# Altium PCB DemetrioGurgel - PCEIoT.PcbDoc (part 1 of 3)
Units mm, origin at the board's own origin, x right, y up, seen from the top; angles counter-clockwise.
Board outline 125 x 60 mm, 4 copper layers (Top Copper, Top Ref, Botton Ref, Bottom Copper), stack 1.586 mm thick; 153 components, 92 nets, 439 pads, 736 vias.
Unrouted connection lines stored in the file: 62.
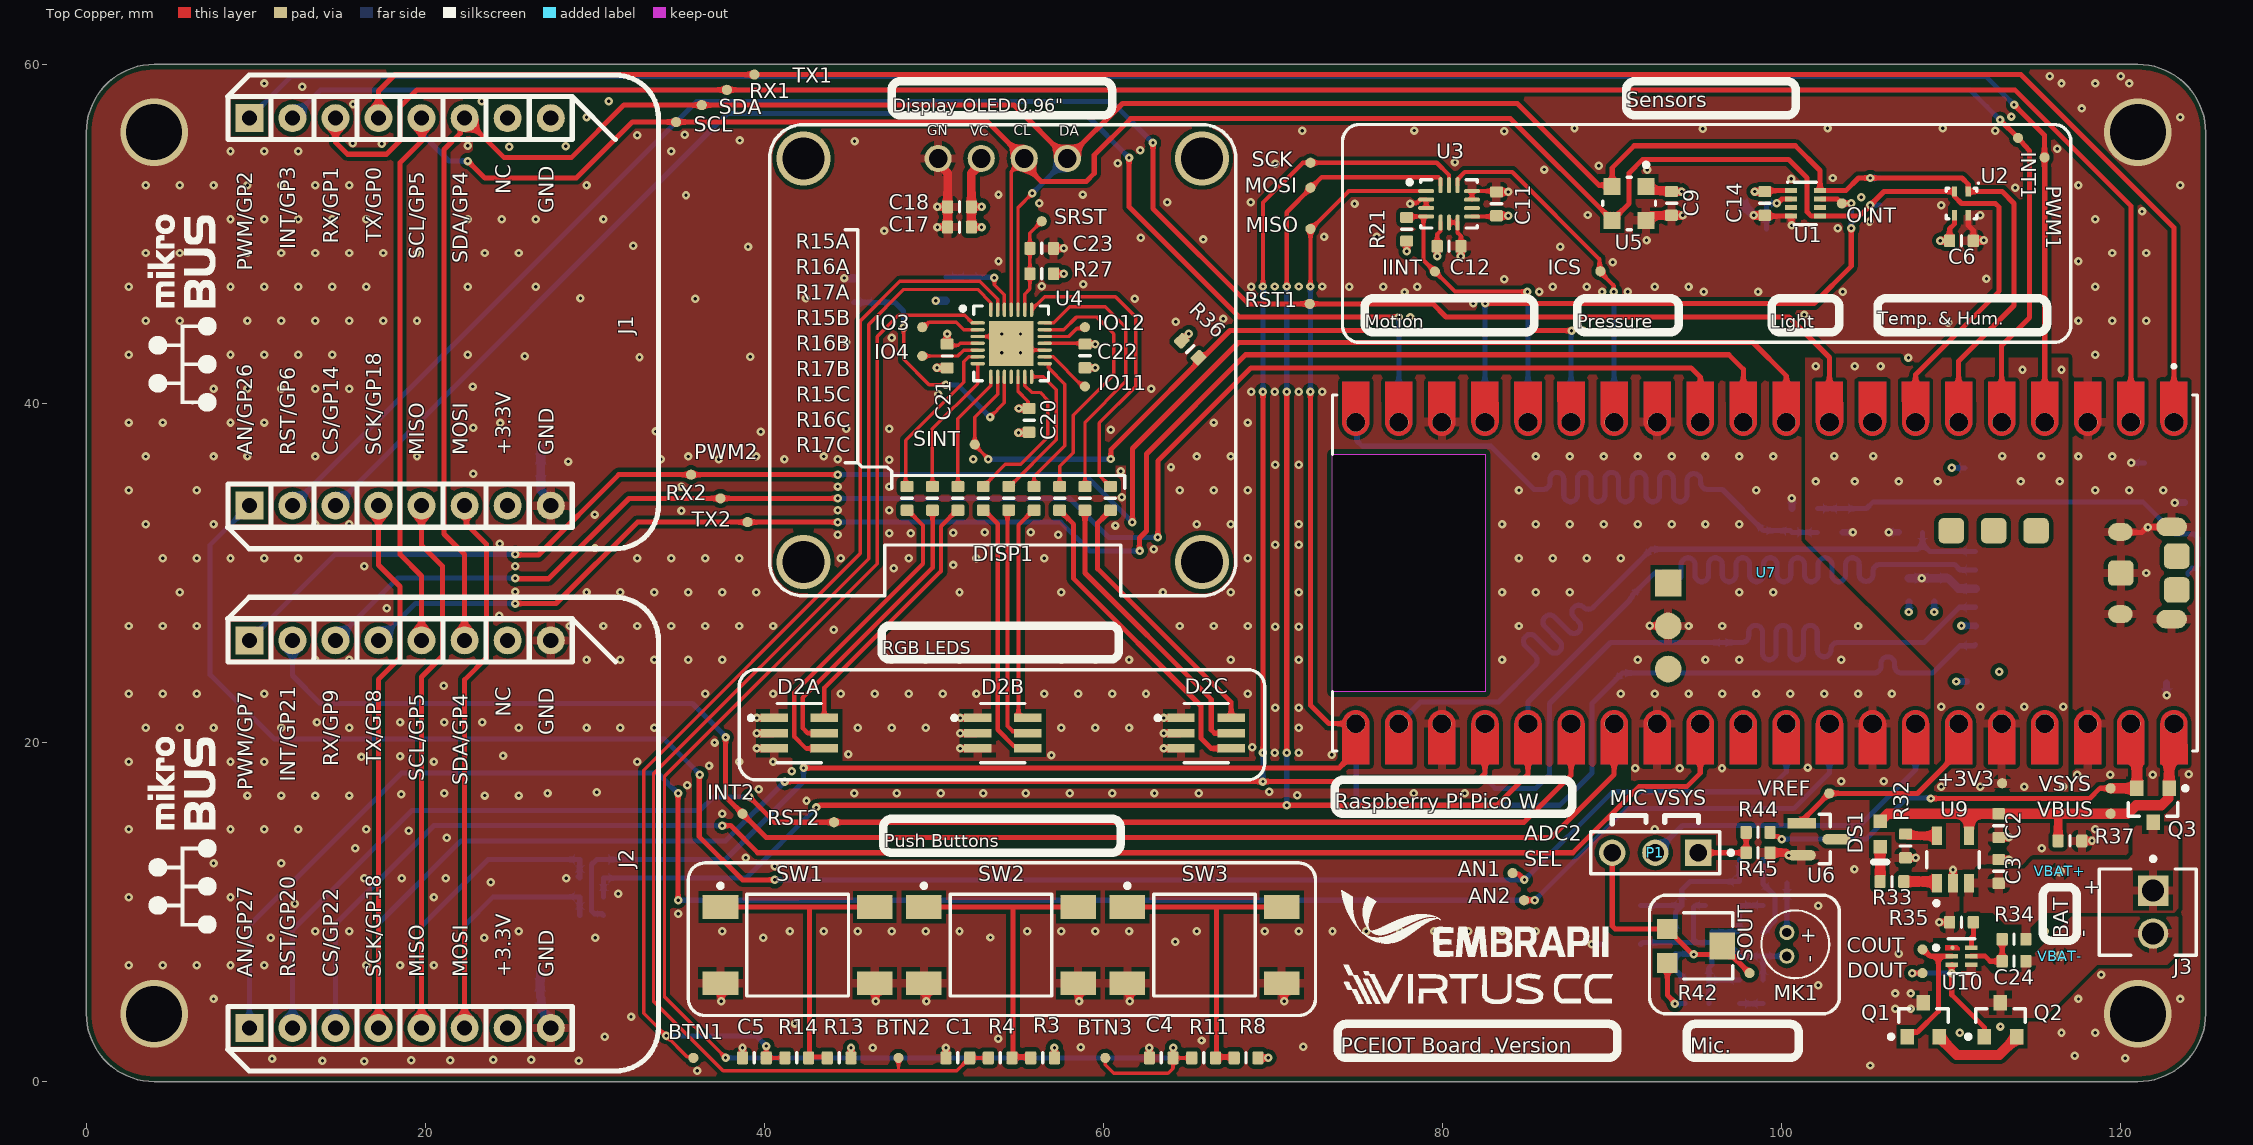
[diagram p0: Top Copper view]
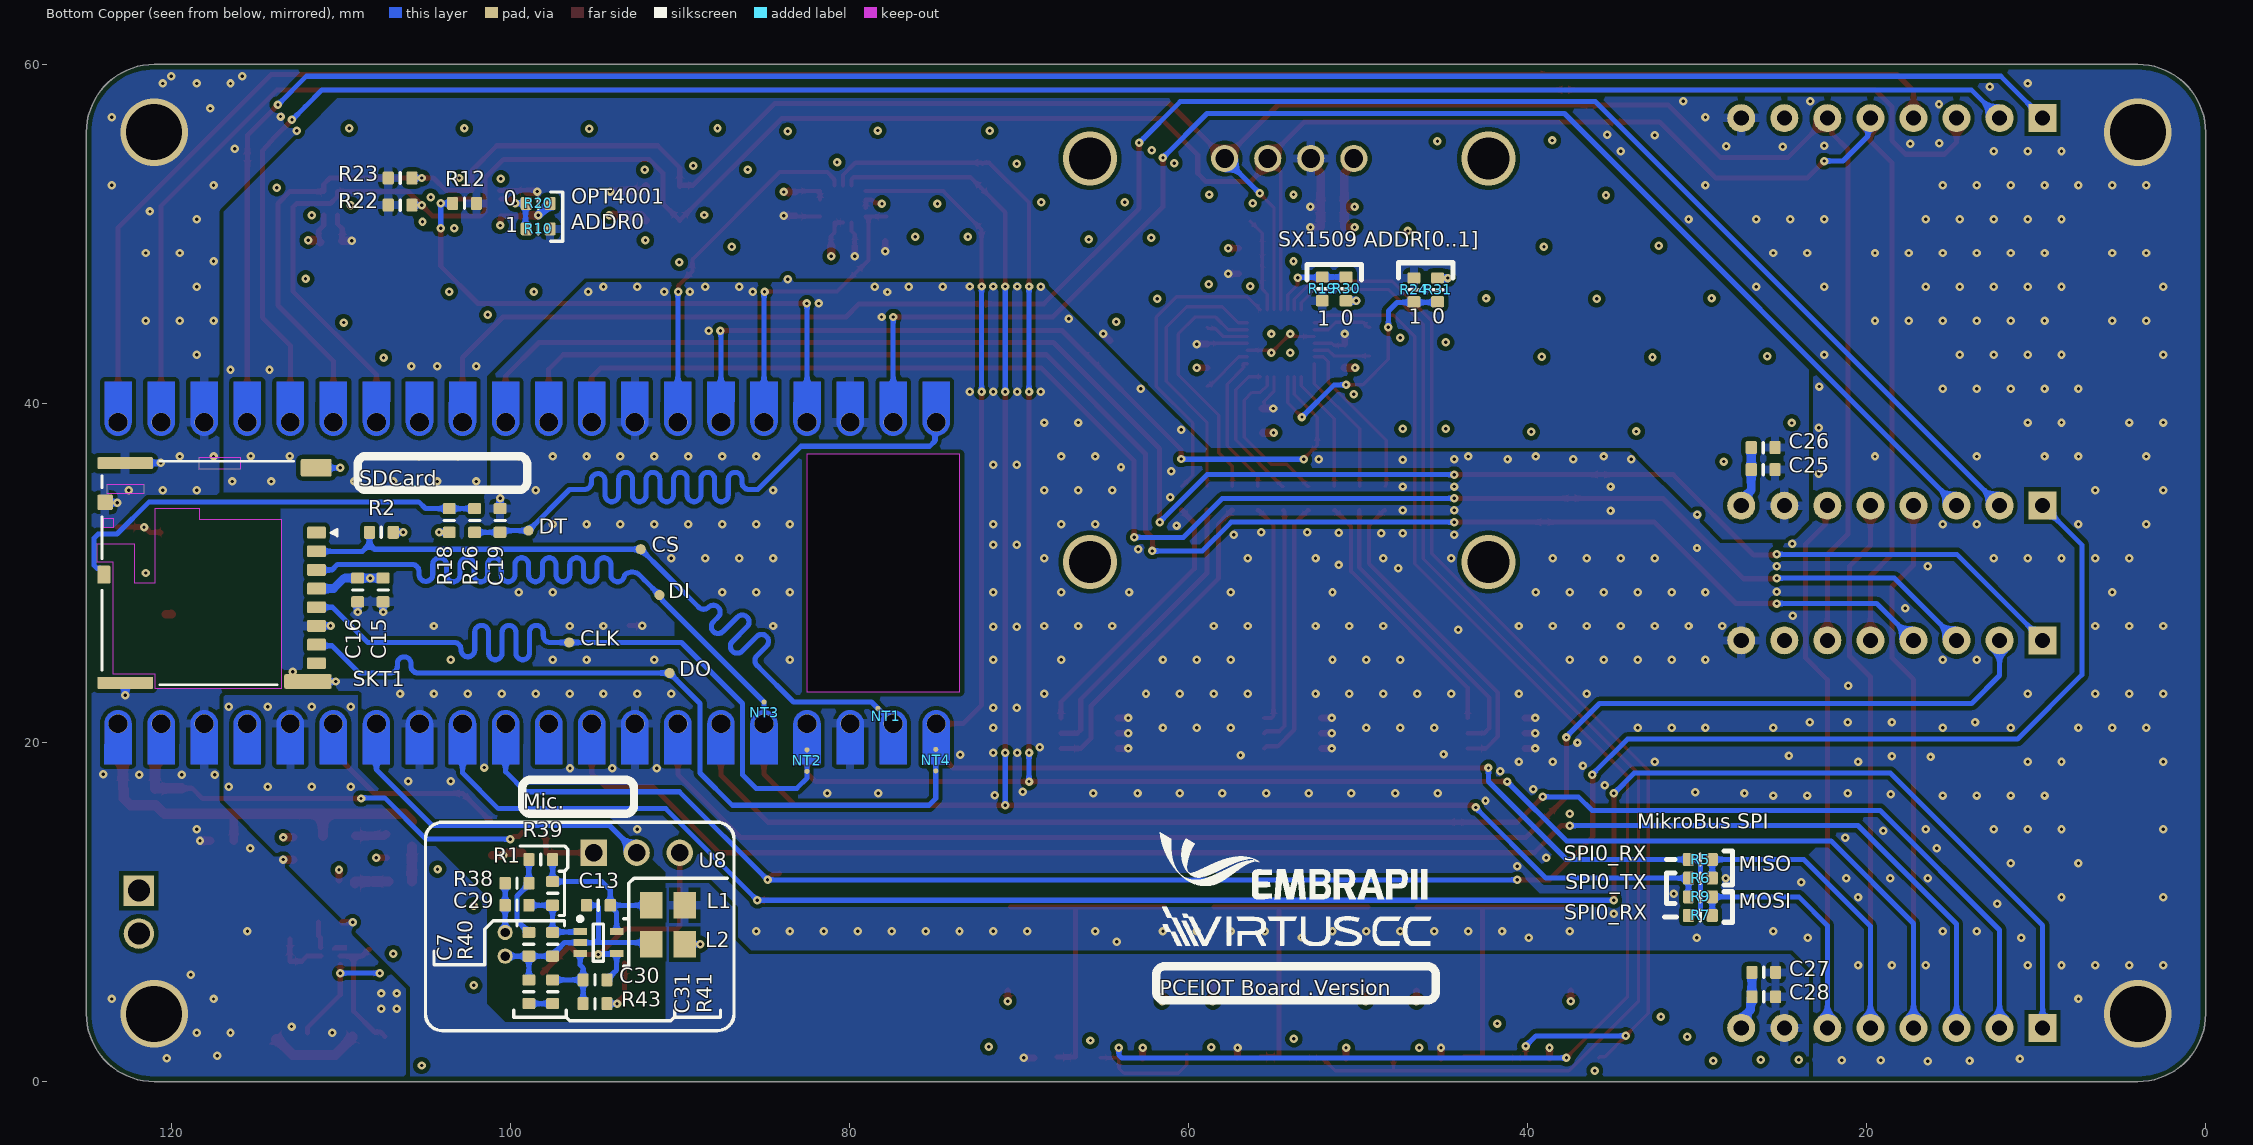
[diagram p1: Bottom Copper view, seen from below]
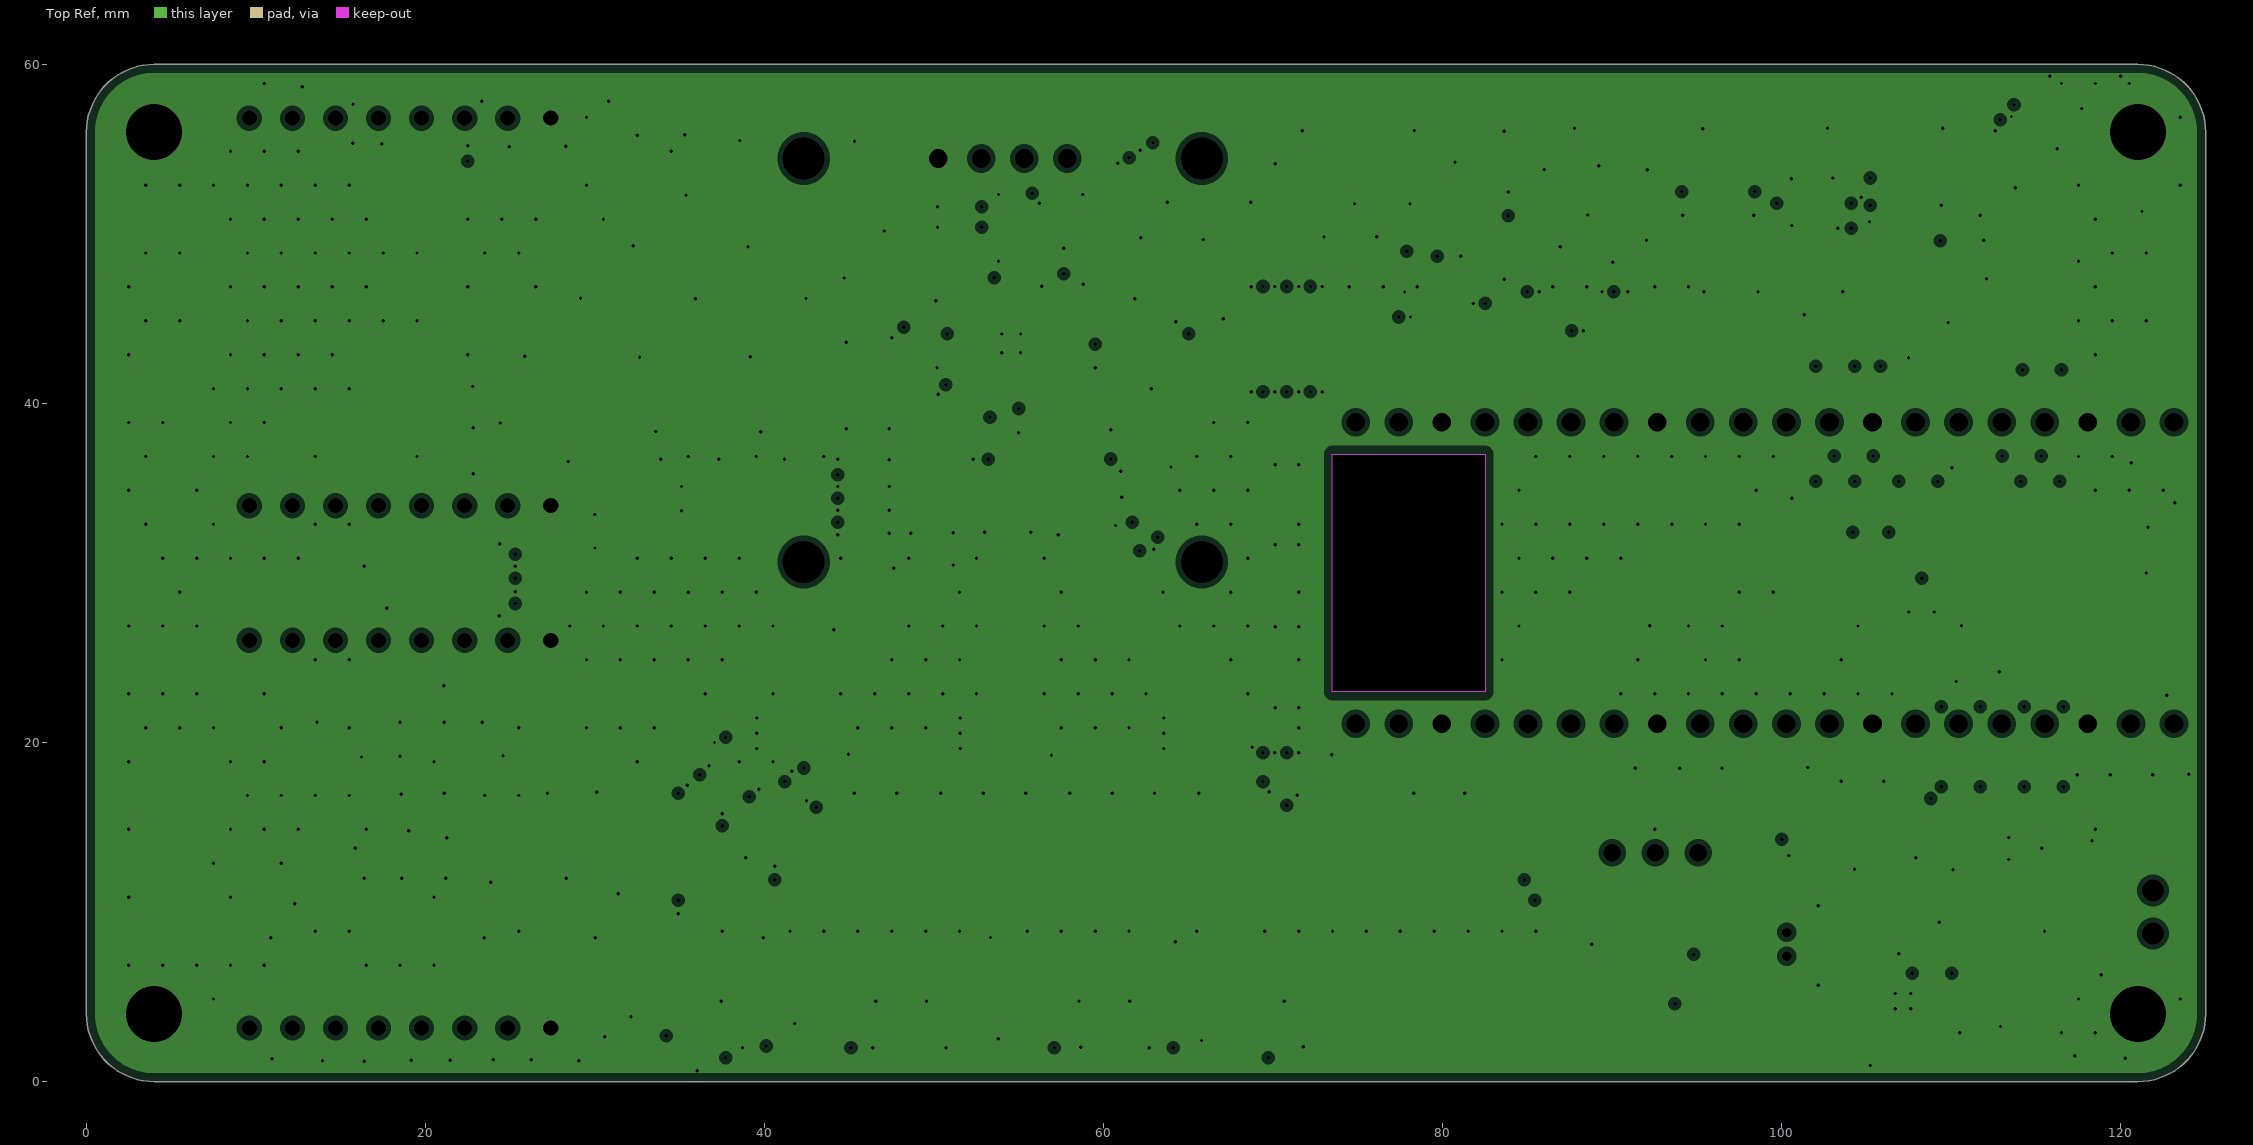
[diagram p2: Top Ref, clearances drawn from the general rule]
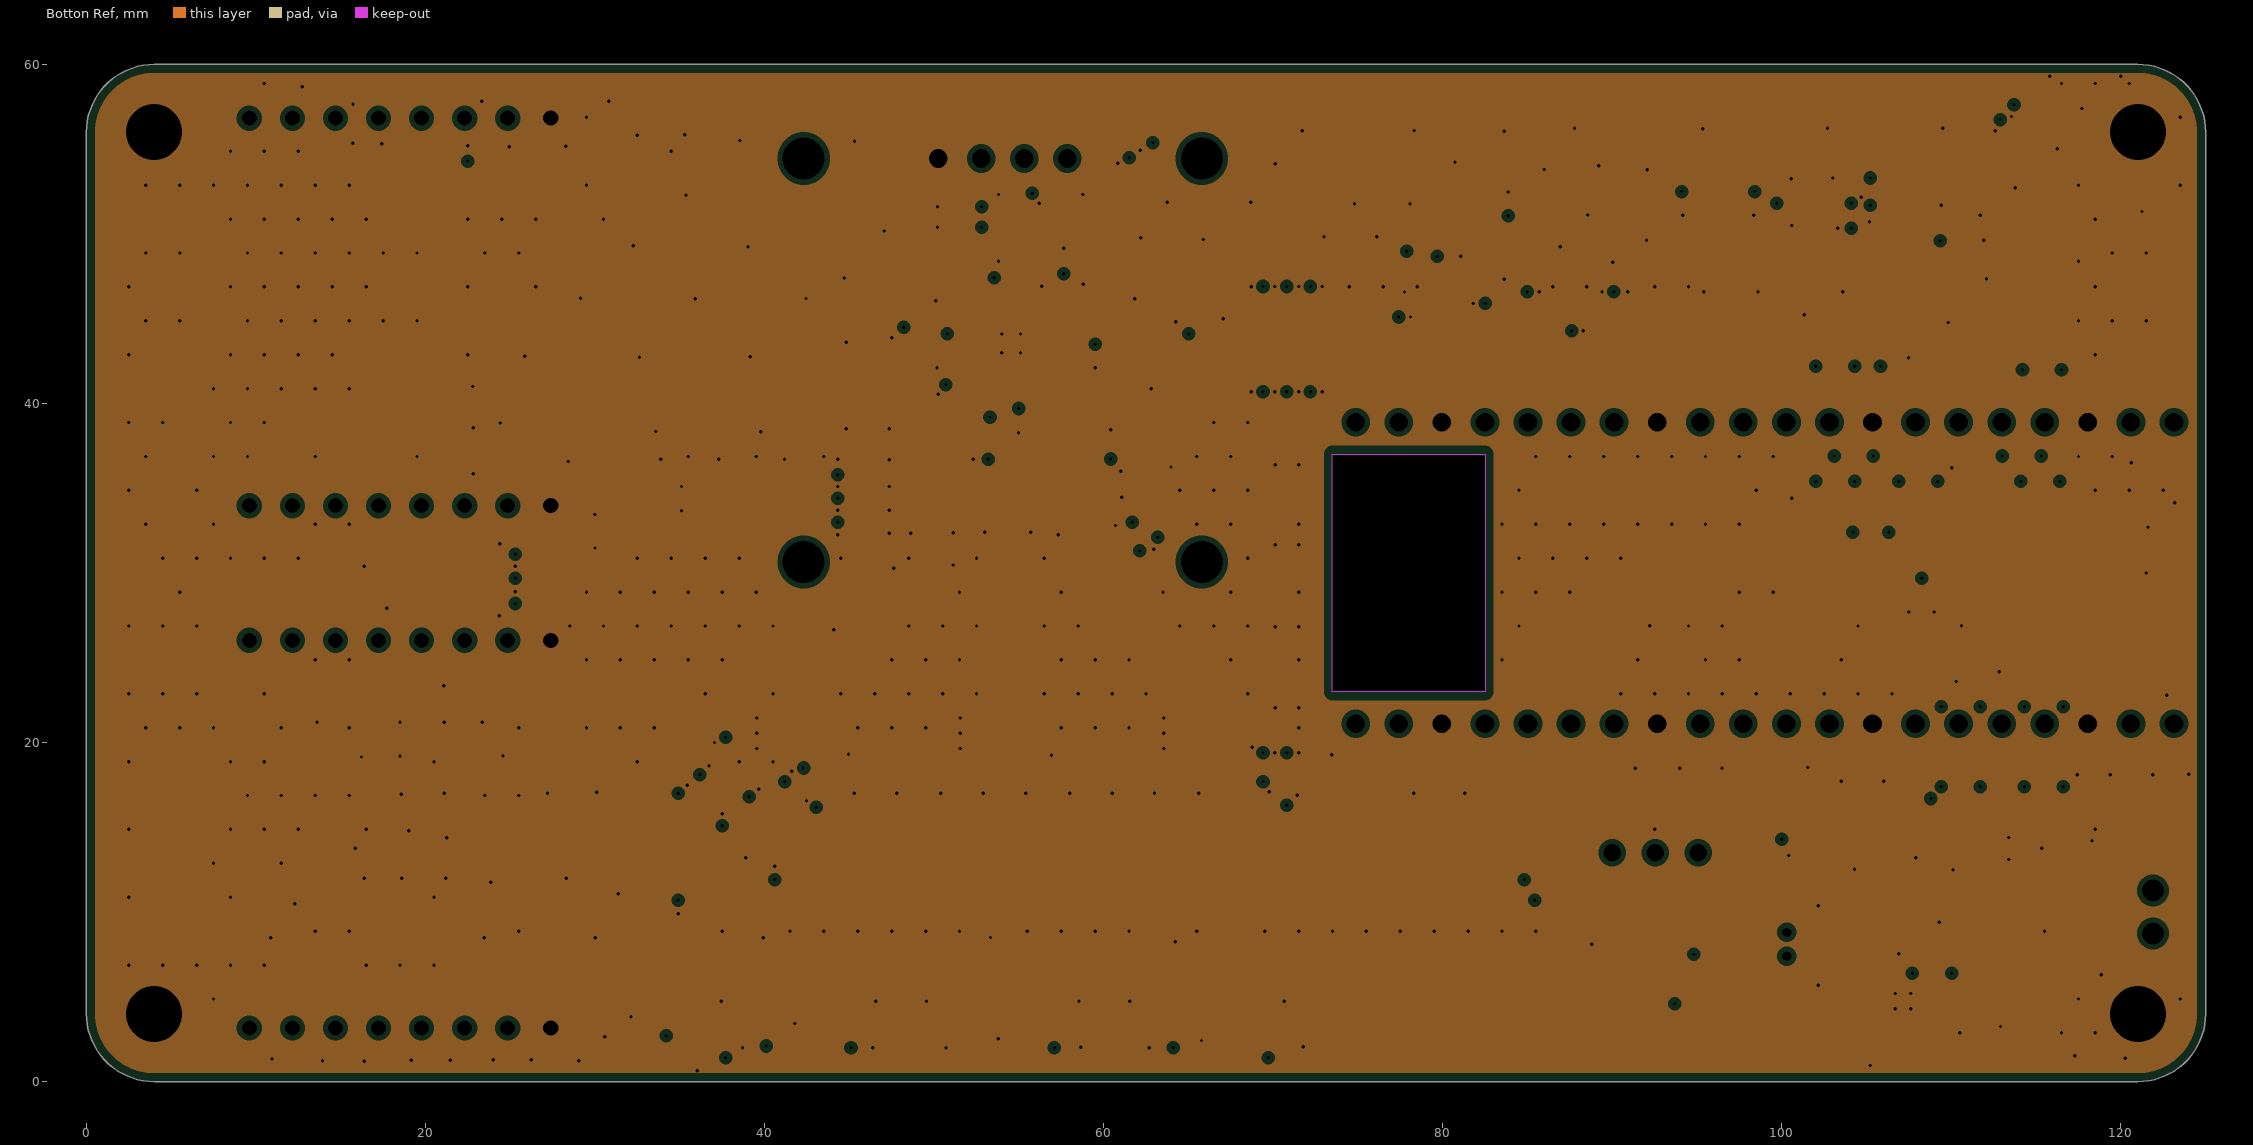
[diagram p3: Botton Ref, clearances drawn from the general rule]
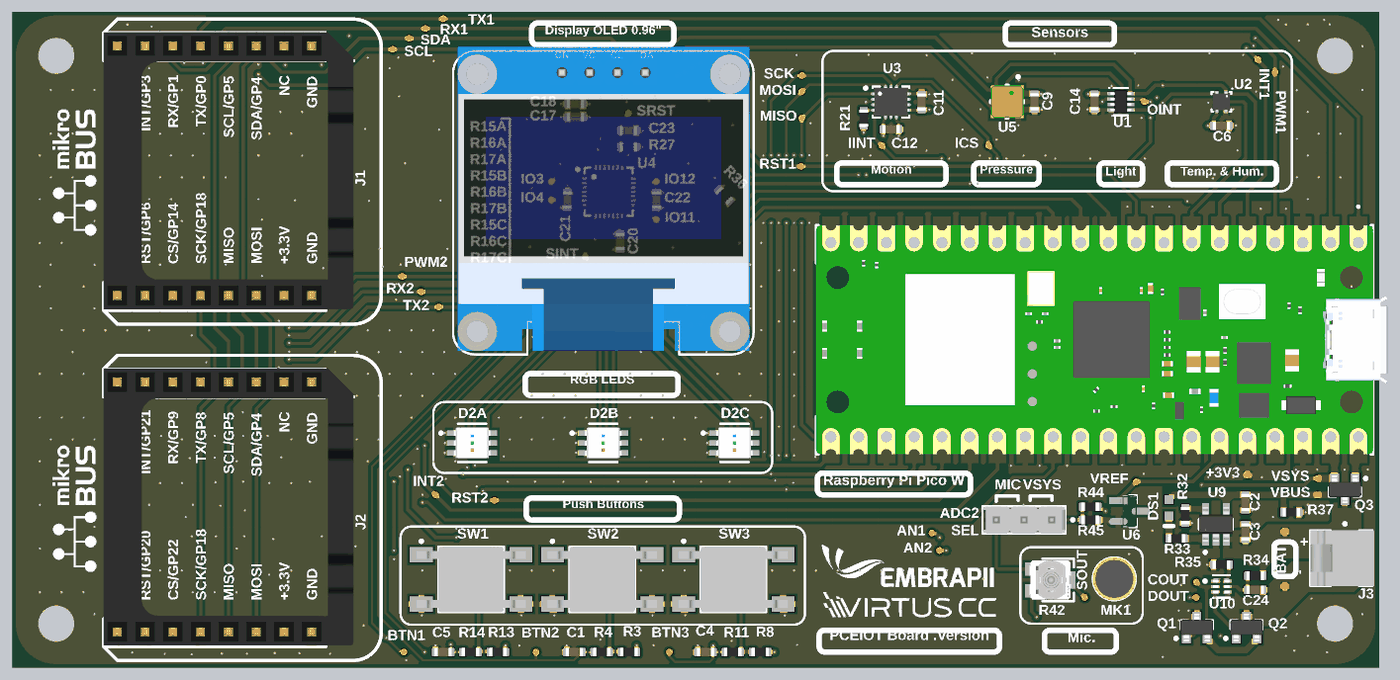
[diagram p6: 3D render of the assembled board from above, using the file's embedded part models]
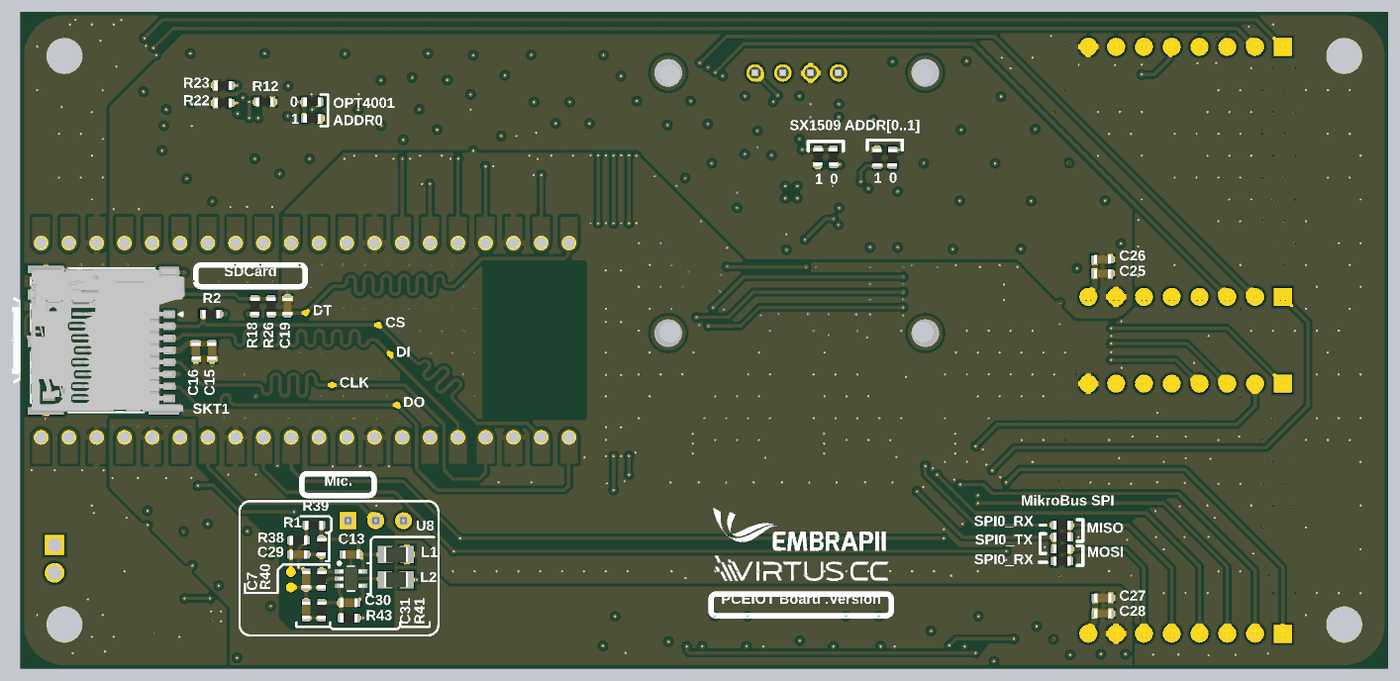
[diagram p7: 3D render of the assembled board from below, using the file's embedded part models]

## Layer stack, top to bottom
Top Mask: solder mask 0.0305, Solder Resist, Dk 3.8
Top Copper: signal copper 0.035
Dielectric 1: prepreg 0.2104, 7628, Dk 4.4
Top Ref: plane copper 0.0152, net GND
Core: core 1.065, FR-4, Dk 4.6
Botton Ref: plane copper 0.0152, net GND
Dielectric 2: prepreg 0.2104, 7628, Dk 4.4
Bottom Copper: signal copper 0.035
Bottom Mask: solder mask 0.0305, Solder Resist, Dk 3.8

## Board outline
0,4 0,56 cw(c4,56) 4,60 75,60 121,60 cw(c121,56) 125,56 125,4 cw(c121,4) 121,0 4,0 cw(c4,4)

## Design rules (kind name [scope] priority, off if disabled: settings)
BoardOutlineClearance [All] p1: gap=0.3 ignorepadtopadclearanceinfootprint=FALSE except(0.4: Arc-SplitBarrior Arc-SplitContinuation Track-SplitBarrior Track-SplitContinuation SMDPad-SplitBarrior SMDPad-SplitContinuation THPad-SplitBarrior THPad-SplitContinuation Via-SplitBarrior Via-SplitContinuation Fill-SplitBarrior Fill-SplitContinuation Poly-SplitBarrior Poly-SplitContinuation Region-SplitBarrior Region-SplitContinuation Text-SplitBarrior Text-SplitContinuation)
Clearance "Clearance Different Nets" [All] p1: gap=0.2 ignorepadtopadclearanceinfootprint=FALSE except(0: Arc-Region Track-Region SMDPad-Region THPad-Region Via-Region Fill-Region Poly-Region Region-Region; 0.25: Arc-Poly Track-Poly SMDPad-Poly THPad-Poly Via-Poly Fill-Poly Poly-Poly)
Clearance "Clearance Bottom Layer" [OnLayer('Bottom Layer')] p2: gap=0.2 ignorepadtopadclearanceinfootprint=TRUE except(0: Arc-Region Track-Region SMDPad-Region THPad-Region Via-Region Fill-Region Poly-Region Region-Region; 0.25: Arc-Poly Track-Poly SMDPad-Poly THPad-Poly Via-Poly Fill-Poly Poly-Poly)
Clearance "Clearance Top Layer" [OnLayer('Top Layer')] p3: gap=0.2 ignorepadtopadclearanceinfootprint=TRUE except(0: Arc-Region Track-Region SMDPad-Region THPad-Region Via-Region Fill-Region Poly-Region Region-Region; 0.3: Arc-Poly Track-Poly SMDPad-Poly THPad-Poly Via-Poly Fill-Poly Poly-Poly)
HoleSize [All] p1: absolutevalues=TRUE maxlimit=6.3 minlimit=0.2 maxpercent=80.000 minpercent=20.000
MatchedLengths [InNetClass('SDCard')] p1: tolerance=0.5 checknetsindiffpair=FALSE checkdiffpairvsdiffpair=TRUE checkxsignals=TRUE checkothers=TRUE
MinimumAnnularRing [All] p1: minimumring=0.13
MinimumSolderMaskSliver [All] p1: minsoldermaskwidth=0.1
PlaneClearance [All] p1: clearance=0.3
PlaneConnect [All] p1: pad.planeconnectstyle=Relief pad.reliefexpansion=0.508 pad.reliefentries=4 pad.reliefconductorwidth=0.254 pad.reliefairgap=0.254 via.planeconnectstyle=Direct via.reliefexpansion=0.508 via.reliefentries=4 via.reliefconductorwidth=0.254 via.reliefairgap=0.254
PolygonConnect PolygonConnect_1 [All] p1: thpad.connectstyle=Relief thpad.reliefconductorwidth=0.508 thpad.reliefentries=4 thpad.polygonreliefangle="90 Angle" thpad.airgapwidth=0.254 smdpad.connectstyle=Relief smdpad.reliefconductorwidth=0.508 smdpad.reliefentries=4 smdpad.polygonreliefangle="90 Angle" smdpad.airgapwidth=0.254 via.connectstyle=Direct via.reliefconductorwidth=0.508 via.reliefentries=4 via.polygonreliefangle="90 Angle" via.airgapwidth=0.254
RoutingCorners [All] p1: cornerstyle=Round minsetback=2.54 maxsetback=2.54
RoutingVias [All] p1: holewidth=0.5 width=1 viastyle="Through Hole" minholewidth=0.2 minwidth=0.35 maxholewidth=5 maxwidth=5
SilkToSilkClearance [All] p1: silktosilkclearance=0.1
SilkToSolderMaskClearance [IsPad] p1: minsilkscreentomaskgap=0.1 clearancetoexposedcopper=TRUE
SolderMaskExpansion Vias [IsVia] p1: expansion=0.102 istentingtop=TRUE
SolderMaskExpansion [All] p2: expansion=0.102 istentingtop=FALSE
SupplyNets "Schematic Supply Nets_6" [InNet('AGND')] p1: voltage=0.000
SupplyNets "Schematic Supply Nets_5" [InNet('+3V3A')] p2: voltage=0.000
SupplyNets "Schematic Supply Nets_4" [InNet('VSYS')] p3: voltage=0.000
SupplyNets "Schematic Supply Nets_3" [InNet('VREF')] p4: voltage=0.000
SupplyNets "Schematic Supply Nets_2" [InNet('GND')] p5: voltage=0.000
SupplyNets "Schematic Supply Nets_1" [InNet('+3V3')] p6: voltage=0.000
SupplyNets "Schematic Supply Nets" [InNet('VBUS')] p7: voltage=0.000
UnRoutedNet [All] p1: checkbadconnections=TRUE
Width [All] p1: maxlimit=2.54 minlimit=0.089 preferedwidth=0.381
22 further rules are at their usual default settings.

## Classes and differential pairs
channel class "[6] RgbLed": "\"RGB_LEDs\"1" "\"RGB_LEDs\"2" "\"RGB_LEDs\"3"
component class Mechanical: M1 M2 M3 M4 M5 M6 M7 M8 M9 M10 M11 M12
component class Sensors: C6 C7 C9 C11 C12 C13 C14 C29 C30 C31 ICS IINT L1 L2 MK1 OINT R1 R10 R12 R20 R21 R38 R39 R40 R41 R42 R43 SOUT U1 U2 U3 U5 U8
component class Conectors: 2 AN1 AN2 C15 C16 C17 C18 C19 C25 C26 C27 C28 CLK CS DI DISP1 DO DT INT1 INT2 J1 J2 PWM1 PWM2 R2 R18 R26 RST1 RST2 RX1 RX2 SKT1 TX1 TX2
component class "[3] TopLevel": MISO MOSI NT1 NT2 NT3 NT4 P1 R5 R6 R7 R9 R22 R23 R44 R45 SCK SCL SDA U7
net class SDCard: CLK CS DET_SW DI DO
component class PowerManagement: +3V3 C2 C3 C24 COUT DOUT DS1 J3 Q1 Q2 Q3 R32 R33 R34 R35 R37 U6 U9 U10 VBAT+ VBAT- VBUS VREF VSYS
component class "\"RGB_LEDs\"3": D2C R15C R16C R17C
component class "\"RGB_LEDs\"2": D2B R15B R16B R17B
component class "\"RGB_LEDs\"1": D2A R15A R16A R17A
component class "Buttons & LEDs": BTN1 BTN2 BTN3 C1 C4 C5 C20 C21 C22 C23 IO3 IO4 IO11 IO12 R3 R4 R8 R11 R13 R14 R19 R24 R27 R30 R31 R36 SINT SRST SW1 SW2 SW3 U4
